# KiCad board plinkyblack_hwmidi_jacks.kicad_pcb (continued)
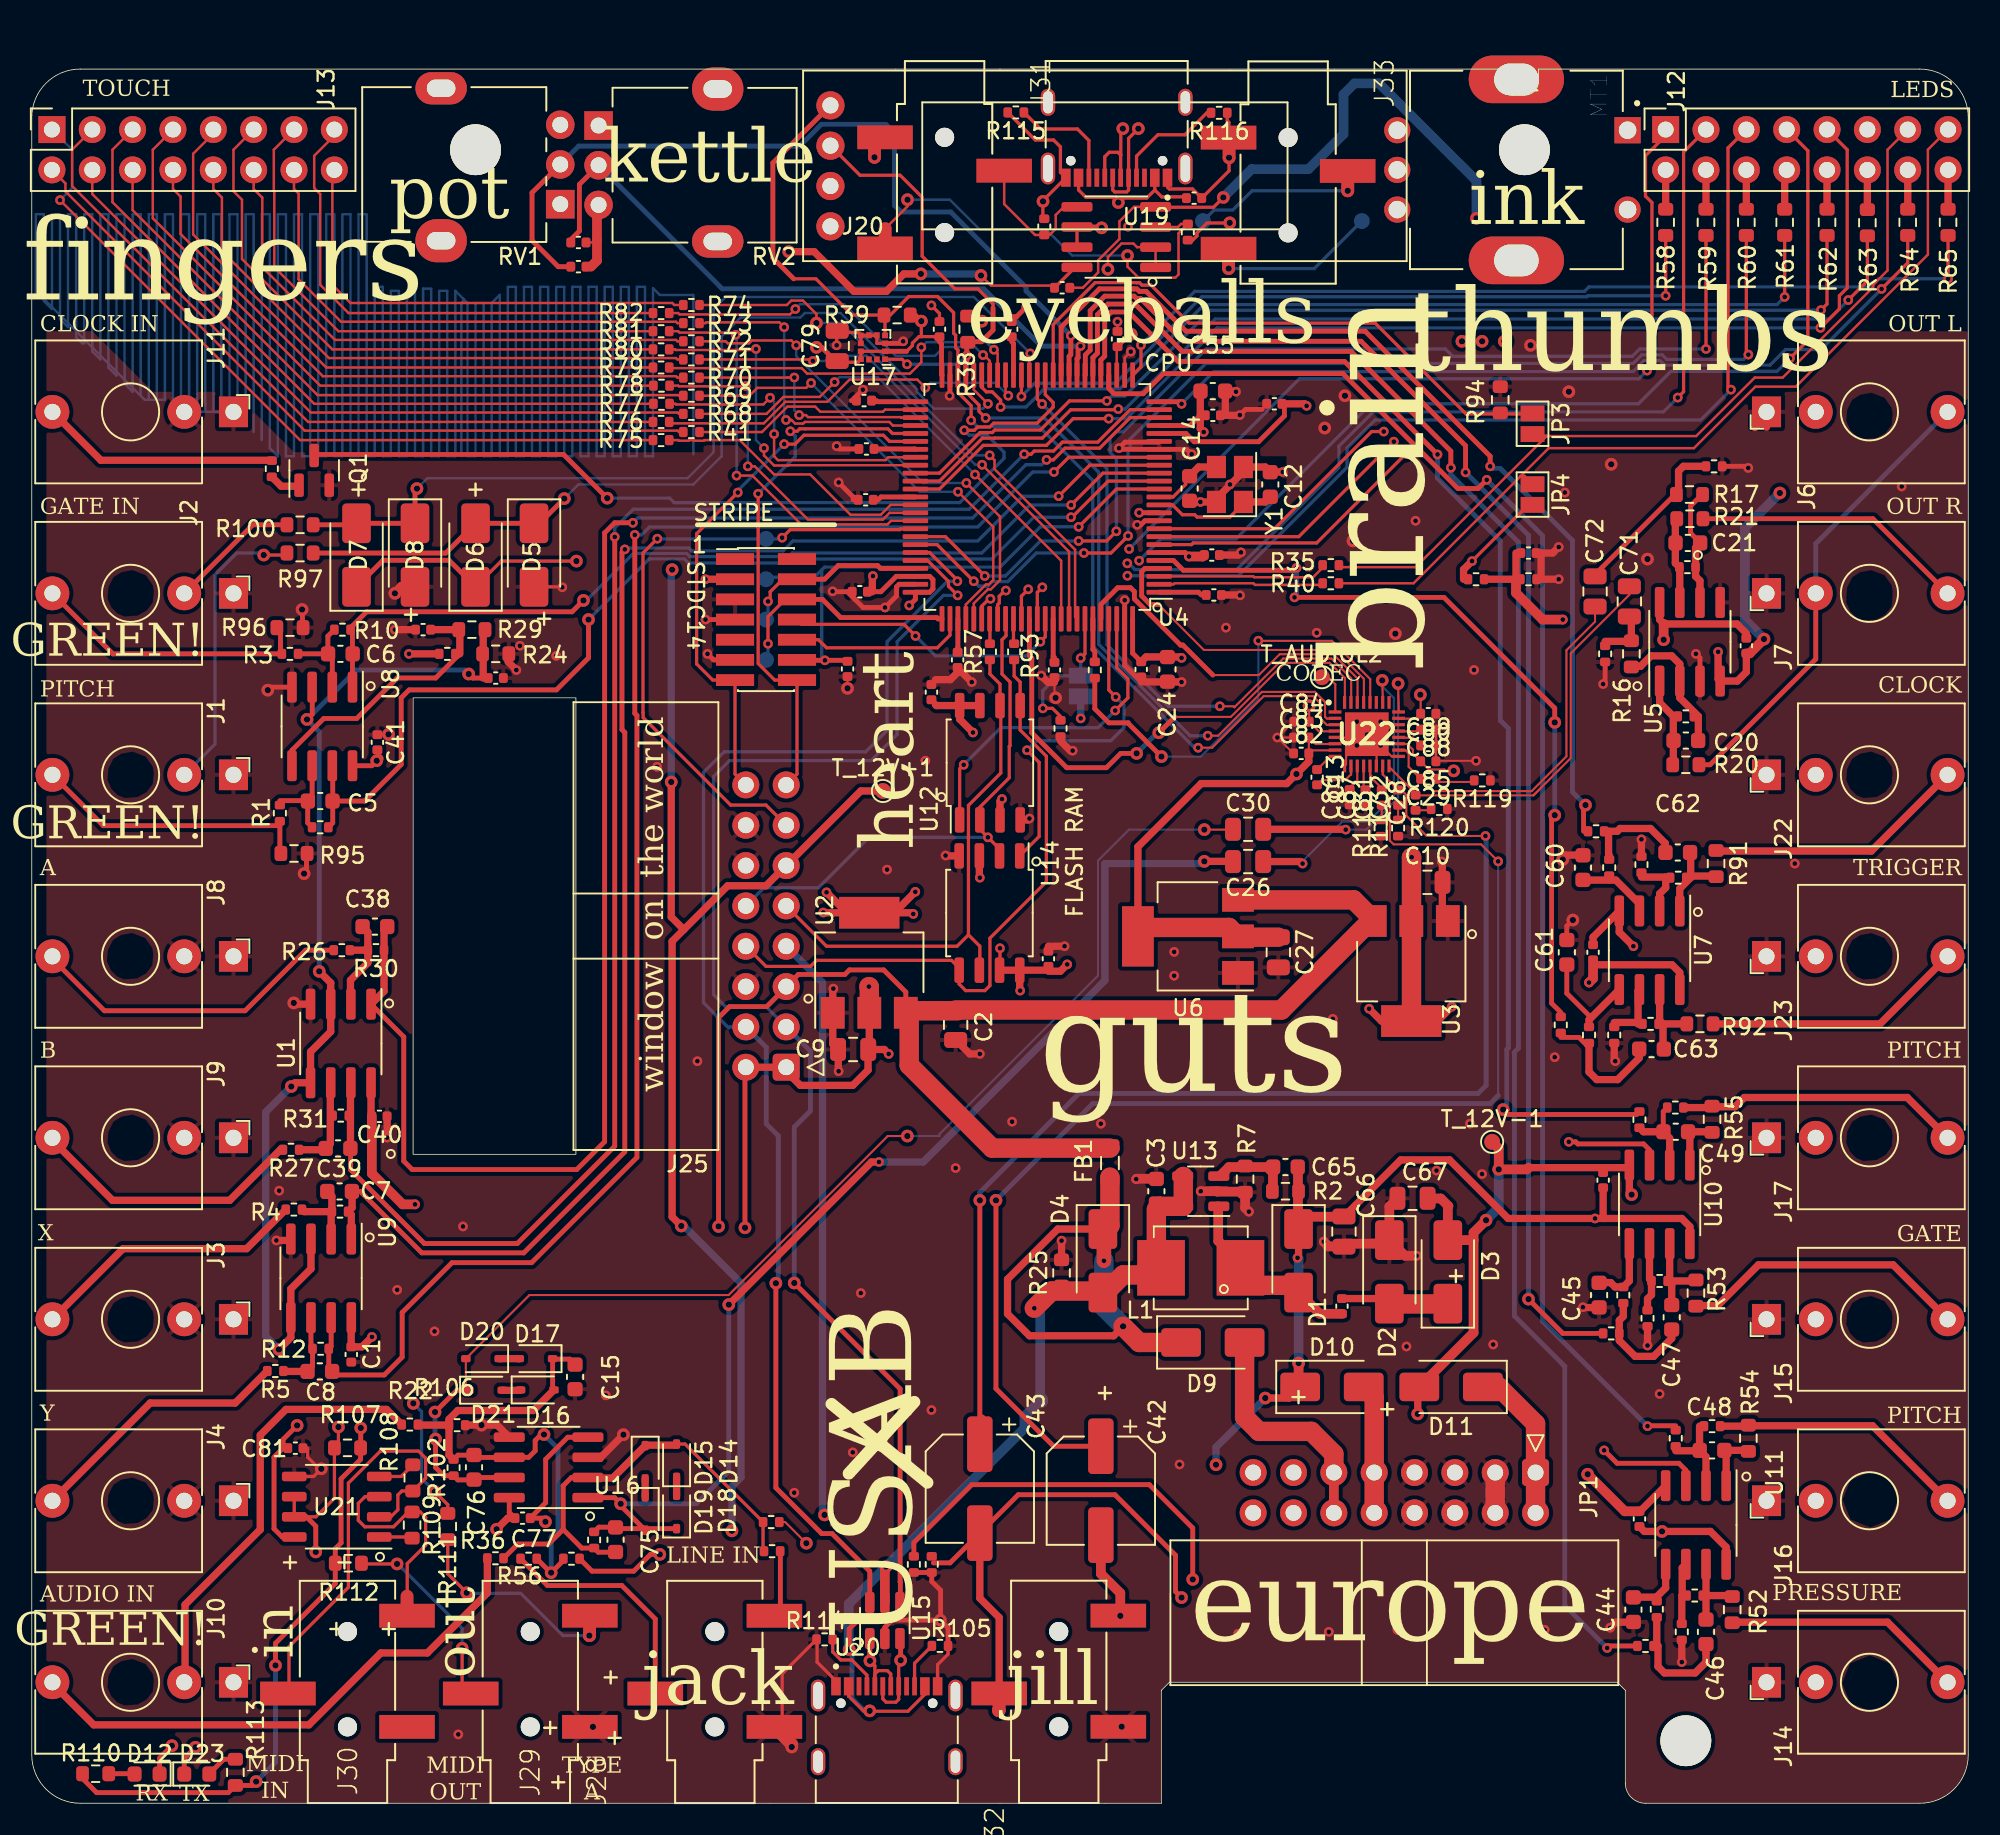
[diagram p0: board, top side]
## Library data of the parts
C1 C11 C16 C18 C19 C22 C23 C25 C28 C29 C31 C32 C40 C41 C50 C51 C53 C64 C73 C74 C77 C78 = -: Description: Unpolarized capacitor; Checked: x; LCSC: C307331
C2 C9 C10 C26 C27 C30 C66 C67 C71 C72 C79 = -: Description: Unpolarized capacitor; Checked: x; LCSC: C15850
C3 C24 = -: Description: Unpolarized capacitor; Checked: x; LCSC: C19666
C4 = -: Description: Unpolarized capacitor; Checked: x; LCSC: C52923
C5-C8 C38 C39 C44-C49 C60-C63 = -: Description: Unpolarized capacitor; Checked: x; LCSC: C53987
C12 C14 C15 C65 = -: Description: Unpolarized capacitor; Checked: x; LCSC: C1647
C13 C80 C82 C86-C89 = -: Description: Unpolarized capacitor; Checked: x; LCSC: C76995
C17 C35-C37 C52 C56-C59 C68-C70 = -: Description: Unpolarized capacitor, small symbol; Checked: x; LCSC: C307331
C20 C21 C75 C76 = -: Description: Unpolarized capacitor; Checked: x; LCSC: C1603
C34 C54 = -: Description: Unpolarized capacitor, small symbol; Checked: x; LCSC: C52923
C42 C43 = -: Checked: x; JLCPCB Rotation Offset: 180; LCSC: C134877
C55 = -: Description: Unpolarized capacitor, small symbol; Checked: x; LCSC: C57112
C81 = -: Checked: x; LCSC: C307331
C83-C85 = -: Description: Unpolarized capacitor; Checked: x; LCSC: C2185597
D1-D11 = -: Description: Schottky diode; Checked: x; LCSC: C8678
D12 = -: Description: Light emitting diode; Checked: x; LCSC: C2286
D14-D21 = -: Description: 75V 0.15A Fast switching Diode, SOD-323; Checked: x; LCSC: C2128
D23 = -: Description: Light emitting diode; Checked: x; LCSC: C2689219
FB1 = -: Checked: x; LCSC: C1017
H1 H2 H4 = -: Description: Mounting Hole without connection
J5 = -: Description: Generic connector, double row, 02x07, odd/even pin numbering scheme (row 1 odd numbers, row 2 even numbers), script generated (kicad-library-utils/schlib/autogen/connector/); JLCPCB Rotation Offset: 90; LCSC: C3975190
J12 J13 JP1 = -: Description: Generic connector, double row, 02x08, odd/even pin numbering scheme (row 1 odd numbers, row 2 even numbers), script generated (kicad-library-utils/schlib/autogen/connector/)
J28-J33 = -: Checked: x; JLCPCB Rotation Offset: 90; LCSC: C2884998
JP2-JP4 = -: Description: Solder Jumper, 2-pole, open
L1 = -: Description: Inductor; Checked: x; LCSC: C181721
MT1 = -: Field4: Manufacturer Recommendations; Field5: Rev. 09/19; Field6: J.W.Miller/Bourns
Q1 = -: Description: 0.2A Ic, 40V Vce, Small Signal NPN Transistor, SOT-23; Checked: x; LCSC: C20526
R1 R3-R5 R8 R22 R26 R27 R32 R33 R36 R103 R104 = -: Description: Resistor; Checked: x; LCSC: C25741
R2 R94-R96 = -: Description: Resistor; Checked: x; LCSC: C4172
R6 R13 R23 R28 R37 R43-R45 R47-R49 R56 R66 R67 R83 R84 R87-R90 R98 R99 R106 = -: Description: Resistor; Checked: x; LCSC: C25744
R7 R25 = -: Description: Resistor; Checked: x; LCSC: C25811
R9 R14 R15 R18 R19 R50 R51 = -: Description: Resistor; Checked: x; LCSC: C25779
R10-R12 R30 R31 R42 R46 R85 R86 = -: Description: Resistor; Checked: x; LCSC: C25768
R16 R17 = -: Description: Resistor; Checked: x; LCSC: C23189
R20 R21 R52-R55 R91 R92 = -: Description: Resistor; Checked: x; LCSC: C21190
R24 = -: Description: Resistor; Checked: x; LCSC: C25981
R29 R38 R39 R97 R100 = -: Description: Resistor; Checked: x; LCSC: C4190
R34 R35 R40 R41 R57 R68-R82 R93 = -: Description: Resistor; Checked: x; LCSC: C25076
R58-R65 = -: Description: Resistor; Checked: x; LCSC: C23182
R101 R102 = -: Description: Resistor; Checked: x; LCSC: C25752
R105 R114-R116 = -: Description: Resistor; Checked: x; LCSC: C25905
R107 = -: Checked: x; LCSC: C23179
R108 R109 = -: Checked: x; LCSC: C22962
R110-R112 = -: Checked: x; LCSC: C23182
R113 = -: Checked: x; LCSC: C22810
R117-R120 = -: Checked: x; LCSC: C276150
T_12V+1 T_12V-1 T_AUDIOL1 T_AUDIOL2 T_AUDIOR1 T_JTCK1 T_JTMS1 T_NRST1 T_VBUS1 TPDEBUG1 = -: Description: test point
U1 U8 U9 = -: Description: 1MHz, Low-Power Op Amp, SOIC-8; Checked: x; LCSC: C7377
U2 U3 = -: Checked: x; LCSC: C6186
U4 = -: Checked: x; LCSC: C83181
U5 U7 U10 U11 U16 U18 = -: Description: Dual Low-Noise JFET-Input Operational Amplifiers, DIP-8/SOIC-8; Checked: x; LCSC: C6961
U6 = -: Checked: x; LCSC: C126026
U12 U14 = -: Checked: x; LCSC: C97521
U13 = -: Description: Synchronous Boost Regulator, Adjustable Output up to 28V, 400 mA Switch Current Limit, SOT-23-5; Checked: x; JLCPCB Rotation Offset: 90; LCSC: C7722
U15 = -: Description: Very low capacitance ESD protection diode, 2 data-line, SOT-23-6; Checked: x; JLCPCB Rotation Offset: 90; LCSC: C2687116
U17 = -: Checked: x; LCSC: C110926
U19 U20 = -: Checked: x; LCSC: C165948; MANUFACTURER: HRO Electronics Co., Ltd.; MAXIMUM_PACKAGE_HEIGHT: 3.26 mm; MP: TYPE-C-31-M-12
U21 = -: Checked: x; LCSC: C43949
U22 = -: Description: Ultra Low Power CODEC for Portable Audio Applications; Checked: x; Height: 0.8; JLCPCB Rotation Offset: 180; LCSC: C323845; Manufacturer_Name: WOLFSON MICROELECTRONICS; Manufacturer_Part_Number: WM8904CGEFL/RV
Y1 = -: Description: Four pin crystal, GND on pins 2 and 4; Checked: x; LCSC: C13738

## Footprints (pads in the part's own frame, mm; a bottom-side part is the same pattern mirrored in y, then rotated)
C_0402_1005Metric
  rrect 0.56x0.62 smd: 1(-0.48,0) 2(0.48,0)
C_0603_1608Metric
  rrect 0.9x0.95 smd: 1(-0.775,0) 2(0.775,0)
C_0805_2012Metric
  rrect 1x1.45 smd: 1(-0.95,0) 2(0.95,0)
CP_Elec_6.3x5.9
  rrect 3.5x1.6 smd: 1(-2.8,0) 2(2.8,0)
Crystal_SMD_Abracon_ABM8G-4Pin_3.2x2.5mm
  rect 1.4x1.2 smd: 1(-1.1,-0.85) 2(1.1,-0.85) 3(1.1,0.85) 4(-1.1,0.85)
D_SMA
  rrect 2.5x1.8 smd: 1(-2,0) 2(2,0)
D_SOD-323
  rrect 0.6x0.45 smd: 1(-1.05,0) 2(1.05,0)
HRO_TYPE-C-31-M-12
  round 0.6 hole 0.6 unplated: (-2.89,3.68) (2.89,3.68)
  rect 0.6x1.14 smd: A1_B12(-3.2,4.75) A4_B9(-2.4,4.75) B1_A12(3.2,4.75) B4_A9(2.4,4.75)
  rect 0.3x1.14 smd: A5(-1.25,4.75) A6(-0.25,4.75) A7(0.25,4.75) A8(1.25,4.75) B5(1.75,4.75) B6(0.75,4.75) B7(-0.75,4.75) B8(-1.75,4.75)
  oval 0.9x2 hole 0.6x1.7: S1(-4.325,4.17) S2(4.325,4.17)
  oval 0.9x1.7 hole 0.6x1.4: S3(-4.325,0) S4(4.325,0)
IDC-Header_2x08_P2.54mm_Horizontal
  rrect 1.7x1.7 hole 1: 1(0,0)
  round 1.7 hole 1: 2(2.54,0) 3(0,-2.54) 4(2.54,-2.54) 5(0,-5.08) 6(2.54,-5.08) 7(0,-7.62) 8(2.54,-7.62) 9(0,-10.16) 10(2.54,-10.16) 11(0,-12.7) 12(2.54,-12.7) 13(0,-15.24) 14(2.54,-15.24) 15(0,-17.78) 16(2.54,-17.78)
L_0805_2012Metric
  rrect 0.875x1.2 smd: 1(-1.062,0) 2(1.062,0)
L_Murata_LQH55DN_5.7x5.0mm
  rect 3x3.5 smd: 1(-2.5,0) 2(2.5,0)
LED_0603_1608Metric
  rrect 0.875x0.95 smd: 1(-0.787,0) 2(0.787,0)
LGA-12_2x2mm_P0.5mm
  rect 0.375x0.35 smd: 1(-0.762,0.75) 2(-0.762,0.25) 3(-0.762,-0.25) 4(-0.762,-0.75) 7(0.762,-0.75) 8(0.762,-0.25) 9(0.762,0.25) 10(0.762,0.75)
  rect 0.35x0.375 smd: 5(-0.25,-0.762) 6(0.25,-0.762) 11(0.25,0.762) 12(-0.25,0.762)
LQFP-100_14x14mm_P0.5mm
  rrect 1.6x0.3 smd: 1(-7.675,6) 2(-7.675,5.5) 3(-7.675,5) 4(-7.675,4.5) 5(-7.675,4) 6(-7.675,3.5) 7(-7.675,3) 8(-7.675,2.5) 9(-7.675,2) 10(-7.675,1.5) 11(-7.675,1) 12(-7.675,0.5) 13(-7.675,0) 14(-7.675,-0.5) 15(-7.675,-1) 16(-7.675,-1.5) 17(-7.675,-2) 18(-7.675,-2.5) 19(-7.675,-3) 20(-7.675,-3.5) 21(-7.675,-4) 22(-7.675,-4.5) 23(-7.675,-5) 24(-7.675,-5.5) 25(-7.675,-6) 51(7.675,-6) 52(7.675,-5.5) 53(7.675,-5) 54(7.675,-4.5) 55(7.675,-4) 56(7.675,-3.5) 57(7.675,-3) 58(7.675,-2.5) 59(7.675,-2) 60(7.675,-1.5) 61(7.675,-1) 62(7.675,-0.5) 63(7.675,0) 64(7.675,0.5) 65(7.675,1) 66(7.675,1.5) 67(7.675,2) 68(7.675,2.5) 69(7.675,3) 70(7.675,3.5) 71(7.675,4) 72(7.675,4.5) 73(7.675,5) 74(7.675,5.5) 75(7.675,6)
  rrect 0.3x1.6 smd: 26(-6,-7.675) 27(-5.5,-7.675) 28(-5,-7.675) 29(-4.5,-7.675) 30(-4,-7.675) 31(-3.5,-7.675) 32(-3,-7.675) 33(-2.5,-7.675) 34(-2,-7.675) 35(-1.5,-7.675) 36(-1,-7.675) 37(-0.5,-7.675) 38(0,-7.675) 39(0.5,-7.675) 40(1,-7.675) 41(1.5,-7.675) 42(2,-7.675) 43(2.5,-7.675) 44(3,-7.675) 45(3.5,-7.675) 46(4,-7.675) 47(4.5,-7.675) 48(5,-7.675) 49(5.5,-7.675) 50(6,-7.675) 76(6,7.675) 77(5.5,7.675) 78(5,7.675) 79(4.5,7.675) 80(4,7.675) 81(3.5,7.675) 82(3,7.675) 83(2.5,7.675) 84(2,7.675) 85(1.5,7.675) 86(1,7.675) 87(0.5,7.675) 88(0,7.675) 89(-0.5,7.675) 90(-1,7.675) 91(-1.5,7.675) 92(-2,7.675) 93(-2.5,7.675) 94(-3,7.675) 95(-3.5,7.675) 96(-4,7.675) 97(-4.5,7.675) 98(-5,7.675) 99(-5.5,7.675) 100(-6,7.675)
LUOYANG-DISHANG_PJ-320B
  round 1.2 hole 1.2 unplated: (0,0) (6,0)
  rect 1.5x3.5 smd: 2(7,-3.75) 3(2.1,3.75) 4(0,-3.75)
MountingHole_3.2mm_M3
  round 3.2 hole 3.2 unplated: (0,0)
oled091
  round 1.778 hole 1.016: 1(-17.28,3.81) 2(-17.28,1.27) 3(-17.28,-1.27) 4(-17.28,-3.81)
pec11r_encoder
  rect 1.65x1.65 hole 1.1: 1(-2.5,7)
  round 1.65 hole 1.1: 2(2.5,7) A(-2.5,-7.5) B(2.5,-7.5) COM(0,-7.5)
  oval 3x6 hole 2x2.8: S1(-5.7,0) S2(5.7,0)
PinHeader_2x07_P1.27mm_Vertical_SMD
  rect 2.4x0.74 smd: 1(-1.95,3.81) 2(1.95,3.81) 3(-1.95,2.54) 4(1.95,2.54) 5(-1.95,1.27) 6(1.95,1.27) 7(-1.95,0) 8(1.95,0) 9(-1.95,-1.27) 10(1.95,-1.27) 11(-1.95,-2.54) 12(1.95,-2.54) 13(-1.95,-3.81) 14(1.95,-3.81)
PinSocket_2x08_P2.54mm_Vertical
  rect 1.7x1.7 hole 1: 1(0,0)
  oval 1.7x1.7 hole 1: 2(-2.54,0) 3(0,-2.54) 4(-2.54,-2.54) 5(0,-5.08) 6(-2.54,-5.08) 7(0,-7.62) 8(-2.54,-7.62) 9(0,-10.16) 10(-2.54,-10.16) 11(0,-12.7) 12(-2.54,-12.7) 13(0,-15.24) 14(-2.54,-15.24) 15(0,-17.78) 16(-2.54,-17.78)
pot3d
  oval 3.24x2.72 hole 1.8x1.1: (7.5,2.3)
  oval 3.24x2.032 hole 1.8x1.1: (7.5,-7.3)
  rect 1.8x1.8 hole 1: 1(0,0)
  round 1.8 hole 1: 2(0,-2.5) 3(0,-5)
QFN40P400X400X80-33N
  rect 0.8x0.2 smd: 1(-2,1.4) 2(-2,1) 3(-2,0.6) 4(-2,0.2) 5(-2,-0.2) 6(-2,-0.6) 7(-2,-1) 8(-2,-1.4) 17(2,-1.4) 18(2,-1) 19(2,-0.6) 20(2,-0.2) 21(2,0.2) 22(2,0.6) 23(2,1) 24(2,1.4)
  rect 0.2x0.8 smd: 9(-1.4,-2) 10(-1,-2) 11(-0.6,-2) 12(-0.2,-2) 13(0.2,-2) 14(0.6,-2) 15(1,-2) 16(1.4,-2) 25(1.4,2) 26(1,2) 27(0.6,2) 28(0.2,2) 29(-0.2,2) 30(-0.6,2) 31(-1,2) 32(-1.4,2)
  rect 2.75x2.75 smd: 33(0,0)
R_0402_1005Metric
  rrect 0.54x0.64 smd: 1(-0.51,0) 2(0.51,0)
R_0603_1608Metric
  rrect 0.8x0.95 smd: 1(-0.825,0) 2(0.825,0)
SOIC-8_3.9x4.9mm_P1.27mm
  rrect 1.95x0.6 smd: 1(-2.475,1.905) 2(-2.475,0.635) 3(-2.475,-0.635) 4(-2.475,-1.905) 5(2.475,-1.905) 6(2.475,-0.635) 7(2.475,0.635) 8(2.475,1.905)
SOIC-8_5.23x5.23mm_P1.27mm
  rrect 1.6x0.6 smd: 1(-3.6,1.905) 2(-3.6,0.635) 3(-3.6,-0.635) 4(-3.6,-1.905) 5(3.6,-1.905) 6(3.6,-0.635) 7(3.6,0.635) 8(3.6,1.905)
SolderJumper-2_P1.3mm_Open_Pad1.0x1.5mm
  rect 1x1.5 smd: 1(-0.65,0) 2(0.65,0)
SOT-23
  rrect 1.475x0.6 smd: 1(-0.938,0.95) 2(-0.938,-0.95) 3(0.938,0)
SOT-23-5
  rrect 1.325x0.6 smd: 1(-1.137,0.95) 2(-1.137,0) 3(-1.137,-0.95) 4(1.137,-0.95) 5(1.137,0.95)
SOT-23-6
  rrect 1.325x0.6 smd: 1(-1.137,0.95) 2(-1.137,0) 3(-1.137,-0.95) 4(1.137,-0.95) 5(1.137,0) 6(1.137,0.95)
SOT-223-3_TabPin2
  rect 2x1.5 smd: 1(-3.15,2.3) 2(-3.15,0) 3(-3.15,-2.3)
  rect 2x3.8 smd: 2(3.15,0)
SSOP-8_3.9x5.05mm_P1.27mm
  rrect 1.55x0.6 smd: 1(-2.675,1.905) 2(-2.675,0.635) 3(-2.675,-0.635) 4(-2.675,-1.905) 5(2.675,-1.905) 6(2.675,-0.635) 7(2.675,0.635) 8(2.675,1.905)
TestPoint_Pad_D1.0mm
  round 1 smd: 1(0,0)
thonk_with_3d
  rect 1.93x1.83 hole 1.016: S(0,0)
  round 2.13 hole 1.016: T(0,-11.4) TN(0,-3.1)

## Nets
+1V8: C27.1 C80.2 C82.2 C83.2 U6.2 U22.6 U22.7 U22.23
+3V3: C9.1 C16.1 C18.1 C19.1 C22.1 C23.1 C24.1 C53.1 C73.1 C79.1 C84.2 D5.1 D7.1 J5.3 J20.3 J25.1 J25.2 JP2.1 R38.1 R39.1 R107.2 R110.2 R112.2 R113.2 U2.2 U4.6 U4.11 U4.28 U4.50 U4.73 U4.75 U4.100 U12.3 U12.7 U12.8 U14.3 U14.7 U14.8 U17.2 U17.9 U17.10 U22.4
+5V: C2.1 C81.2 FB1.1 J25.5 U2.3 U3.3 U6.3 U21.8
+12V: C25.2 C50.2 C51.2 C64.2 C65.2 C66.1 C77.2 C78.2 D1.1 D10.1 J25.11 R2.1 T_12V+1.1 U5.8 U7.8 U10.8 U11.8 U16.8 U18.8
-12V: C25.1 C50.1 C51.1 C64.1 C67.1 C77.1 C78.1 D3.2 D11.2 J25.7 T_12V-1.1 U5.4 U7.4 U10.4 U11.4 U16.4 U18.4
VBUS: C3.1 C74.2 D4.2 L1.1 R25.1 T_VBUS1.1 U13.4 U13.5 U15.5 U19.A4_B9 U19.B4_A9 U20.A4_B9 U20.B4_A9
VDDA: C1.2 C10.1 C40.2 C41.2 C54.1 C55.1 C85.2 U1.8 U3.2 U4.22 U8.8 U9.8 U22.19
/INPUT_L_SECONDARYIN: R6.2 U18.1 U18.2
/INPUT_R_SECONDARYIN: R23.2 U18.6 U18.7
/RING1_4: J29.3 R112.1
/TIP1_5: J29.2 R111.1
ADCDAT: U4.38 U22.31
AIN1: C5.1 R9.1 U4.15 U8.7
AIN2: C6.1 R10.1 U4.16 U8.1
AIN3: C7.1 R11.1 U4.17 U9.1
AIN4: C8.1 R12.1 U4.18 U9.7
AIN5: C38.1 R30.1 U1.1 U4.23
AIN6: C39.1 R31.1 U1.7 U4.24
AIRQ: T_AUDIOL2.1 U22.1
AOUT1: R48.2 U4.29
AOUT2: R49.2 U4.30
AOUT3: R44.2 U4.31
AOUT4: R43.2 U4.32
AOUT5: R83.2 U4.35
AOUT6: R84.2 U4.5
CC2: R105.1 U20.B5
CLKIN: Q1.3 U4.37
DACDAT: U4.87 U22.32
DEBUG: J25.13 TPDEBUG1.1 U4.67
DM: J25.4 U4.70 U15.6
DM_C: U15.1 U19.A7 U19.B7 U20.A7 U20.B7
DP: J25.3 U4.71 U15.4
DP_C: U15.3 U19.A6 U19.B6 U20.A6 U20.B6
FSCLK: U4.96 U22.30
HPFB: C1.1 C2.2 C3.2 C9.2 C10.2 C11.2 C12.2 C14.2 C15.1 C16.2 C17.1 C18.2 C19.2 C22.2 C23.2 C24.2 C27.2 C34.1 C35.1 C36.1 C37.1 C40.1 C41.1 C44.1 C45.1 C52.1 C53.2 C54.2 C55.2 C56.1 C57.1 C58.1 C59.1 C60.1 C61.1 C66.2 C67.2 C68.2 C69.1 C70.2 C73.2 C74.1 C79.2 C80.1 C81.1 C82.1 C83.1 C84.1 C85.1 C86.1 C87.1 C88.1 C89.2 D2.1 D6.2 D8.2 J1.S J2.S J3.S J3.TN J4.S J4.TN J5.5 J5.7 J5.11 J6.S J7.S J8.S J8.TN J9.S J9.TN J10.S J11.S J11.TN J12.11 J14.S J15.S J16.S J17.S J20.4 J22.S J23.S J25.6 J25.12 J25.14 J28.4 J29.4 J31.4 J32.4 J33.4 JP1.3 JP1.4 JP1.5 JP1.6 JP1.7 JP1.8 MT1.1 MT1.COM MT1.S1 MT1.S2 Q1.2 R7.2 R13.2 R14.2 R15.2 R24.1 R25.2 R32.2 R33.2 R66.1 R67.1 R87.1 R88.1 R94.1 R95.2 R96.2 R99.1 R103.2 R104.2 R105.2 R106.1 R114.1 R115.2 R116.1 R117.1 R118.1 R119.1 R120.1 RV1.3 RV2.3 U1.4 U2.1 U3.1 U4.10 U4.19 U4.20 U4.27 U4.49 U4.74 U4.99 U5.3 U5.5 U6.1 U8.4 U9.4 U12.4 U13.2 U14.4 U15.2 U16.3 U16.5 U17.3 U17.5 U17.6 U17.7 U17.8 U19.A1_B12 U19.B1_A12 U20.A1_B12 U20.B1_A12 U21.5 U22.5 U22.9 U22.14 U22.17 U22.22 U22.33 Y1.2 Y1.4
HPL: C31.2 C42.1 U22.13
HPR: C32.2 C43.1 U22.15
IO1: MT1.2 U4.7
IO2: MT1.A U4.8
IO3: MT1.B U4.9
JTCK: J5.6 T_JTCK1.1 U4.76
JTDI: J5.10 U4.77
JTDO: J5.8 U4.89
JTMS: J5.4 T_JTMS1.1 U4.72
LINEINL: C26.1 U22.26
LINEINR: C30.1 U22.24
LINEOUTL: C28.2 C71.2 U22.16
LINEOUTR: C29.2 C72.2 U22.18
MCLK: R34.2 U22.28
MISO: J25.10 U4.84 U12.2 U14.2
MOSI: J25.8 R93.1 U12.5 U14.5
N1: J12.1 U4.83
N2: J12.3 U4.86
N3: J12.5 U4.88
N4: J12.7 U4.81
N5: J12.9 U4.62
NRST: C11.1 J5.12 T_NRST1.1 U4.14
P1: R58.1 U4.40
P2: R59.1 U4.68
P3: R60.1 U4.69
P4: R61.1 U4.45
P5: R62.1 U4.60
P6: R63.1 U4.61
P7: R64.1 U4.25
P8: R65.1 U4.26
POT1: C68.1 RV2.2 U4.33
POT2: C70.1 RV1.2 U4.34
RX: D12.1 J5.13 J25.16 R107.1 U4.56 U21.6 U21.7
SCL: J20.2 R38.2 U4.47 U17.1 U22.2
SCLK: U4.4 U22.29
SDA: J20.1 R39.2 U4.48 U17.4 U22.3
SENSE: D7.2 D8.1 R100.1 U4.39
SENSE2: D5.2 D6.1 R97.1 U4.46
SPICLK: J25.9 R57.1 U12.6 U14.6
SPICS: U4.98 U12.1
SPICS2: U4.97 U14.1
T1: R41.1 U4.52
T2: R68.1 U4.91
T3: R69.1 U4.79
T4: R70.1 U4.53
T5: R71.1 U4.92
T6: R72.1 U4.80
T7: R73.1 U4.54
T8: R74.1 U4.93
T9: R75.2 U4.64
T10: R76.2 U4.42
T11: R77.2 U4.58
T12: R78.2 U4.65
T13: R79.2 U4.43
T14: R80.2 U4.59
T15: R81.2 U4.66
T16: R82.2 U4.44
T_AUDIOL: C42.2 J32.2 J33.2 R33.1 T_AUDIOL1.1
T_AUDIOR: C43.2 J32.3 J33.3 R32.1 T_AUDIOR1.1
TS1: R40.2 U4.2
TS1_: J12.15 JP4.1 R40.1
TS2: R35.2 U4.3
TS2_: J12.13 JP3.2 R35.1
TX: D23.1 J5.14 J25.15 R111.2 U4.55
VREF: C34.2 JP4.2 R28.2 R98.2 RV1.1 RV2.1 U4.21
VREF1: C17.2 R24.2 R29.1 U1.3 U1.5 U8.3 U9.3 U9.5
VREF125: C35.2 R28.1 R29.2 U8.5
VREF_125_OUT: C69.2 R98.1 R99.2 U10.3 U11.3
Net-(C20-Pad1): C20.1 R18.1 R20.2 U5.1
Net-(C21-Pad1): C21.1 R19.1 R21.2 U5.7
Net-(C28-Pad1): C28.1 R120.2
Net-(C29-Pad1): C29.1 R119.2
Net-(C31-Pad1): C31.1 R118.2
Net-(C32-Pad1): C32.1 R117.2
Net-(C46-Pad1): C46.1 R42.2 R44.1
Net-(C46-Pad2): C46.2 R45.2 R52.2 U11.7
Net-(C47-Pad1): C47.1 R43.1 R46.2
Net-(C47-Pad2): C47.2 R47.2 R53.2 U10.7
Net-(C48-Pad1): C48.1 R54.2 U11.1
Net-(C49-Pad1): C49.1 R55.2 U10.1
Net-(C62-Pad1): C62.1 R83.1 R85.2
Net-(C62-Pad2): C62.2 R90.2 R91.2 U7.1
Net-(C63-Pad1): C63.1 R84.1 R86.2
Net-(C63-Pad2): C63.2 R89.2 R92.2 U7.7
Net-(C71-Pad1): C71.1 R14.1 R16.2
Net-(C72-Pad1): C72.1 R15.1 R17.2
Net-(D1-A): C4.2 D1.2 L1.2 U13.1
Net-(D2-A): C4.1 D2.2 D3.1
Net-(D4-K): D4.1 D9.1 FB1.2
Net-(D9-A): D9.2 JP1.11 JP1.12
Net-(D10-A): D10.2 JP1.9 JP1.10
Net-(D11-K): D11.1 JP1.1 JP1.2
Net-(D12-A): D12.2 R110.1
Net-(D14-A): C75.1 D14.2 D15.1 R6.1 R36.1 R37.1 R101.2 U16.2
Net-(D14-K): D14.1 D18.2
Net-(D15-A): D15.2 D19.1
Net-(D16-A): C15.2 C76.1 D16.2 D17.1 R22.1 R23.1 R56.1 R102.2 R106.2 U16.6
Net-(D16-K): D16.1 D20.2
Net-(D17-A): D17.2 D21.1
Net-(D18-K): C26.2 C75.2 D18.1 D19.2 R101.1 U16.1
Net-(D20-K): C30.2 C76.2 D20.1 D21.2 R102.1 U16.7
Net-(D23-A): D23.2 R113.1
Net-(J1-PadT): J1.T R1.2 R95.1
Net-(J1-PadTN): J1.TN R97.2
Net-(J2-PadT): J2.T R3.2 R96.1
Net-(J2-PadTN): J2.TN R100.2
Net-(J3-PadT): J3.T R4.2
Net-(J4-PadT): J4.T R5.2
Net-(J6-PadT): J6.T J7.TN R20.1
Net-(J7-PadT): J7.T R21.1
Net-(J8-PadT): J8.T R26.2
Net-(J9-PadT): J9.T R27.2
Net-(J10-PadT): J10.T R36.2
Net-(J10-PadTN): J10.TN R22.2
Net-(J11-PadT): J11.T R8.2
Net-(J12-Pin_2): J12.2 R58.2
Net-(J12-Pin_4): J12.4 R59.2
Net-(J12-Pin_6): J12.6 R60.2
Net-(J12-Pin_8): J12.8 R61.2
Net-(J12-Pin_10): J12.10 R62.2
Net-(J12-Pin_12): J12.12 R63.2
Net-(J12-Pin_14): J12.14 R64.2
Net-(J12-Pin_16): J12.16 R65.2
Net-(J13-Pin_1): J13.1 R75.1
Net-(J13-Pin_2): J13.2 R41.2
Net-(J13-Pin_3): J13.3 R76.1
Net-(J13-Pin_4): J13.4 R68.2
Net-(J13-Pin_5): J13.5 R77.1
Net-(J13-Pin_6): J13.6 R69.2
Net-(J13-Pin_7): J13.7 R78.1
Net-(J13-Pin_8): J13.8 R70.2
Net-(J13-Pin_9): J13.9 R79.1
Net-(J13-Pin_10): J13.10 R71.2
Net-(J13-Pin_11): J13.11 R80.1
Net-(J13-Pin_12): J13.12 R72.2
Net-(J13-Pin_13): J13.13 R81.1
Net-(J13-Pin_14): J13.14 R73.2
Net-(J13-Pin_15): J13.15 R82.1
Net-(J13-Pin_16): J13.16 R74.2
Net-(J14-PadT): J14.T R52.1
Net-(J15-PadT): J15.T R53.1
Net-(J16-PadT): J16.T R50.1 R54.1
Net-(J17-PadT): J17.T R51.1 R55.1
Net-(J22-PadT): J22.T R91.1
Net-(J23-PadT): J23.T R92.1
Net-(J28-RING): J28.3 R56.2
Net-(J28-TIP): J28.2 R37.2
Net-(J30-RING): J30.3 R108.1 U21.2
Net-(J30-TIP): J30.2 R109.1 U21.3
Net-(J31-RING): J31.3 R104.1 U18.5
Net-(J31-TIP): J31.2 R103.1 U18.3
Net-(JP2-B): JP2.2 R13.1 U4.94
Net-(JP3-A): JP3.1 R94.2 U4.36
Net-(Q1-B): Q1.1 R8.1
Net-(U1A--): C38.2 R26.1 R30.2 U1.2
Net-(U1B--): C39.2 R27.1 R31.2 U1.6
Net-(U4-PB4): C56.2 U4.90
Net-(U4-PB8): R34.1 U4.95
Net-(U4-PB12): C57.2 U4.51
Net-(U4-PC6): C58.2 U4.63
Net-(U4-PC10): C59.2 U4.78
Net-(U4-PD1): R57.2 U4.82
Net-(U4-PD4): R93.2 U4.85
Net-(U4-PD10): C52.2 U4.57
Net-(U4-PE2): C36.2 U4.1
Net-(U4-PE10): C37.2 U4.41
Net-(U4-PH0): C12.1 U4.12 Y1.1
Net-(U4-PH1): C14.1 U4.13 Y1.3
Net-(U5A--): C20.2 R16.1 R18.2 U5.2
Net-(U5B--): C21.2 R17.1 R19.2 U5.6
Net-(U7A-+): C60.2 R85.1 U7.3
Net-(U7A--): R87.2 R90.1 U7.2
Net-(U7B-+): C61.2 R86.1 U7.5
Net-(U7B--): R88.2 R89.1 U7.6
Net-(U8A--): C6.2 R3.1 R10.2 U8.2
Net-(U8B--): C5.2 R1.1 R9.2 U8.6
Net-(U9A--): C7.2 R4.1 R11.2 U9.2
Net-(U9B--): C8.2 R5.1 R12.2 U9.6
Net-(U10A--): C49.2 R49.1 R51.2 U10.2
Net-(U10B-+): C45.2 R46.1 U10.5
Net-(U10B--): R47.1 R67.2 U10.6
Net-(U11A--): C48.2 R48.1 R50.2 U11.2
Net-(U11B-+): C44.2 R42.1 U11.5
Net-(U11B--): R45.1 R66.2 U11.6
Net-(U13-FB): C65.1 R2.2 R7.1 U13.3
Net-(U19-CC1): R116.2 U19.A5
Net-(U19-CC2): R115.1 U19.B5
Net-(U19-SHIELD-PadS1): U19.S1 U19.S2 U19.S3 U19.S4
Net-(U20-CC1): R114.2 U20.A5
Net-(U20-SHIELD-PadS1): U20.S1 U20.S2 U20.S3 U20.S4
Net-(U21-ANODE_1): R109.2 U21.1
Net-(U21-ANODE_2): R108.2 U21.4
Net-(U22-CPCA): C13.1 U22.8
Net-(U22-CPCB): C13.2 U22.10
Net-(U22-CPVOUTN): C87.2 U22.12
Net-(U22-CPVOUTP): C86.2 U22.11
Net-(U22-MICBIAS): C89.1 U22.20
Net-(U22-VMIDC): C88.2 U22.21

Pads without a net: J5 1 2 9; J6 TN; J14 TN; J15 TN; J16 TN; J17 TN; J22 TN; J23 TN; J30 4; JP1 13 14 15 16; U17 11 12; U19 A8 B8; U20 A8 B8; U22 25 27

## Via types
v1: diameter 0.61, hole 0.305, Top to Bottom, 270 vias
v2: diameter 0.8, hole 0.4, Top to Bottom, 137 vias

## Routing (per net, layer and track width the routed paths; a pad name or vN(x,y) marks a point on that pad's centre or on a via; arc(x,y) is an arc through that point)
+1V8: length 45.3
  Top w0.13: 80.42,67.12 80.83,66.71 82.07,66.71 ; 80.59,66.31 82.07,66.31 ; C82.2 C83.2 ; v2(87.42,69.82) 87.44,69.8 C80.2 87.13,68.31 86.07,68.31
  Top w0.457: C82.2 80.4,65.61 79.62,64.83 v2(79.62,64.82) 79.62,64.82 79.02,64.22 73.62,64.22 69.64,60.24 U6.2
  Top w1.219: U6.2 70.2,55.16 75.38,55.16 U6.2 ; C27.1 75.99,54.54
  In2.Cu w0.13: v2(79.62,64.82) 80.85,64.82 85.85,69.82 v2(87.42,69.82)
+3V3: length 304.7
  Top w0.13: 82.07,67.51 81.03,67.51 C84.2 v2(80.42,69.12)
  Top w0.152: 68.44,91.74 v2(69.22,92.52) ; U4.28 68.31,91.69
  Top w0.203: 55.08,91.44 55.45,91.81 55.45,91.96 55.86,92.37 56.01,92.37 ; 56.01,92.37 56.83,92.37 57.15,92.05 ; 56.01,92.37 v2(56.01,93.34) ; U17.2 U17.9 U17.10 52.01,90.76 50.67,90.76 ; v1(60.96,53.85) 60.96,52.32 ; v2(34.29,78.23) 29.56,78.23 D5.1
  Top w0.305: 57.15,92.05 57.28,91.92 57.28,89.98 U4.50 ; R107.2 20.71,21.66 19.47,20.43 19.47,16.4 19.11,16.03 R112.2 19.11,13.84 15.35,10.08 v2(15.35,8.68) ; C53.1 69.31,72.43 U4.100 ; 3.2,1.56 4.09,0.67 12.37,0.67 R113.2 13.88,1.12 v2(14.13,1.36) ; D7.1 22.12,78.28 26.27,78.28 D5.1 ; U4.6 72.61,78.77 v1(72.86,78.52) 73.41,78.52 73.51,78.61 ; 50.67,90.76 49.74,91.69 v2(49.4,91.69) ; 55.08,91.44 U17.2 ; v2(56.01,93.34) 55.63,93.73 55.27,93.73 ; v2(20.71,23.64) 20.71,22.39 ; 44.9,46.3 v2(44.9,36.24) ; v1(55.24,75.44) 55.63,75.83 U4.75 56.53,76.27 56.74,76.48 56.74,77.07 56.53,77.27 U4.73 54.43,77.27 53.46,76.3 52.92,76.3 ; 58.93,93.62 59.54,93.62 v2(59.82,93.34) ; v1(69.72,81.28) 70.98,81.28 U4.11
  Top w0.457: 51.32,56.08 v1(50.04,57.37) ; J5.3 v1(42.42,77.09) ; 52.92,76.3 52.92,77.25 v1(52.96,77.29) ; v1(55.5,56.01) 55.42,56.08 U2.2 49.85,56.08 v1(49.83,56.1) ; 47.37,46.23 48.39,45.21 51.69,45.21 52.65,46.17 52.65,47.47 53.67,47.47 v1(53.95,47.19) ; 56.9,69.19 56.95,69.13 U12.8 58.42,68.28 v1(59.26,67.44) ; 64.01,52.45 63.99,52.47 U14.8 62.2,51.21 v1(62.23,51.18) ; v1(65.19,52.83) 64.76,52.4 64.01,52.4 ; U12.3 60.96,63.12 v1(61.09,63.25) ; J25.1 J25.2 ; v1(72.39,72.14) 72.33,72.2 70.16,72.2 C53.1 ; U2.2 52.73,47.55 ; 58.42,69.22 58.5,69.13 U12.7 ; U14.3 59.66,58.32 v1(59.69,58.29) ; U14.7 62.21,52.47 ; 54.31,56.08 v1(55.63,57.4)
  Top w0.61: v1(72.86,78.52) 73.72,78.52 73.82,78.61
  Top w1.219: U2.2 52.73,51.41 v1(52.7,51.44)
  In2.Cu w0.203: v1(42.42,77.09) 42.35,77.02 35.5,77.02 v2(34.29,78.23)
  In2.Cu w0.305: v2(20.71,23.64) 20.71,23.7 24.29,27.28 24.29,30.99 26.34,33.04 41.7,33.04 v2(44.9,36.24)
  In2.Cu w0.61: 56.9,81.28 52.96,77.34 v1(52.96,77.29) 52.76,77.09 v1(42.42,77.09) ; 56.9,81.28 56.9,76.45 57.4,75.95 57.4,70.87 60.07,68.2 ; 56.9,81.28 61.29,81.28 63.1,83.08 66.09,83.08 67.01,84 ; v1(72.86,78.52) 72.86,78.92 73.45,79.51 ; J20.3 48.64,100.21 48.64,97.66 52.96,93.34 v2(56.01,93.34) v2(59.82,93.34) 59.94,93.47 65.86,93.47 66.83,92.49 ; v2(80.42,69.12) 80.42,70.12 79.64,70.9 79.64,73.95 74.78,78.82 74.14,78.82 73.45,79.51 ; 67.01,84 66.68,84.33 66.68,91.34 66.83,91.5 66.83,92.49 ; 67.01,84 67.01,83.57 69.29,81.28 v1(69.72,81.28) 71.68,81.28 73.45,79.51 ; 60.07,68.2 65.91,68.2 v1(66.04,68.33) ; 60.07,68.2 59.31,67.44 v1(59.26,67.44) 55.63,63.8 v1(55.63,57.4) ; 66.83,92.49 67.73,92.49 67.76,92.52 v2(69.22,92.52)
  Bottom w0.305: v2(14.13,1.36) 15.35,2.58 v2(15.35,8.68)
  Bottom w0.457: v1(66.04,68.33) 66.04,69.6
+5V: length 129.3
  Top w0.305: v2(43.24,36.33) 43.24,49.48 43.94,50.17 46.27,50.17 47.5,51.4 ; U21.8 15.77,16.77 15.25,17.29 15.25,21.79 15.82,22.36 15.82,22.91 v2(16.71,23.8) ; J25.5 48.26,52.2 51.19,52.2 51.48,52.48 53.64,52.48 55.03,51.09 U2.3
  Top w1.219: U6.3 83.22,56.9 U3.3 ; 55.16,49.91 58.29,49.91 ; 84.58,55.63 84.35,55.63 78.68,49.96 58.17,49.96 ; 67.88,41.26 60.47,41.26 55.24,46.48 55.24,49.57 U2.3
  In2.Cu w0.305: v2(43.24,36.33) 43.24,35.41 41.48,33.65 25.9,33.65 23.64,31.39 23.64,29.46 17.98,23.8 v2(16.71,23.8)
+12V: length 308.8
  Top w0.152: v2(59.76,96.22) 60.4,95.58 64.26,95.58
  Top w0.203: 65.68,96.73 C78.2
  Top w0.305: C77.2 30.06,18.32 U16.8
  Top w0.457: U7.8 103.76,52.32 103.27,52.81 98.3,52.81 ; v2(47.66,97.72) 49.26,97.72 51.76,95.22 53.81,95.22 54.9,96.32 v2(55.98,96.32) ; 98.93,38.46 98.93,36.83 ; 98.93,36.83 103.88,36.83 104.39,36.32 U10.8 ; 98.93,36.83 v1(98.43,36.83) 92.95,36.83 89.26,40.52 86.19,40.52 82.62,36.94 ; 107.95,73.69 107.36,74.27 102.77,74.27 102.49,74.55 U5.8 ; D10.1 79.16,25.52 v2(77.66,25.52) ; U11.8 106.68,16.13 105.69,17.12 101.53,17.12 C50.2 ; 41.05,55.03 40.26,55.82 v2(40.26,64.32) ; 41.05,55.03 43.81,57.78 46.23,57.78 J25.11 52.2,63.75 T_12V+1.1 ; 41.05,55.03 40.32,54.29 40.32,36.93 v2(40.89,36.36) ; v2(29.27,17.26) 29.96,17.96 C77.2 ; v1(79.69,34.35) 79.76,34.42 79.76,36.07
  Top w0.61: v2(102.74,73.28) 102.74,74.24 102.77,74.27 ; 79.72,36.16 79.72,40.07 ; 98.3,52.81 98.3,51.94 v1(98.04,51.69) ; v2(79.76,27.72) 79.76,26.32 ; 79.69,36.13 80.51,36.94 82.62,36.94
  In2.Cu w0.457: v2(47.66,97.72) 47.56,97.72 42.96,93.12 42.96,83.92 40.32,81.28 v2(40.32,77.69) ; v2(29.27,17.26) 29.76,16.76 43.69,16.76 v2(44.08,17.16) 44.23,17.31 49.27,17.31 49.46,17.12 70.26,17.12 74.46,21.32 v2(74.56,21.32)
  In2.Cu w0.61: v2(102.74,73.28) 102.74,71.5 98.68,67.44 98.68,52.32 v1(98.04,51.69) 98.04,37.21 v1(98.43,36.83) 100.82,34.44 100.82,18.94 v2(102.64,17.12)
  Bottom w0.457: v2(40.89,36.36) 41.05,36.36 44.66,32.75 44.66,20.53 44.08,19.95 v2(44.08,17.16) ; v2(74.56,21.32) 74.56,22.42 v2(77.66,25.52) ; v2(55.98,96.32) 59.66,96.32 v2(59.76,96.22) ; v2(40.26,64.32) 40.26,77.63 v2(40.32,77.69)
  Bottom w0.61: v2(79.76,27.72) 79.76,34.29 v1(79.69,34.35)
-12V: length 283.7
  Top w0.152: C78.1 66.17,95.45 67.14,96.41 67.14,97.18 68.48,98.52 68.48,99.63 69.39,100.54 U18.4
  Top w0.203: v2(75.02,101.13) 74.4,100.51 70.79,100.51
  Top w0.305: v2(32.34,17.73) 32.11,17.96 C77.1 32.35,18.93 32.35,21.66 33.74,23.05 35.01,23.05
  Top w0.457: 94.24,40.03 100.42,40.03 U10.4 100.58,38.47 v2(100.73,38.33) ; v1(106.17,72.52) 106.17,70.8 U5.4 107.38,70.68 107.95,71.25 107.95,72.11 ; v2(87.26,24.52) 87.26,26.12 ; U11.4 101.26,18.39 ; 98.3,54.38 98.3,54.55 U7.4 99.95,54.86 v1(100.84,53.98)
  Top w0.61: 90.78,35.47 90.78,29.64 D11.2 ; 90.78,35.47 90.78,35.94 v2(91.56,36.72) ; 90.78,35.47 D3.2 89.16,37.57 89.19,37.61 88.71,38.09 87.88,38.09 ; C51.1 108.16,72.42 v2(109.06,73.32) ; C50.1 100.29,18.39 v2(97.96,20.72) ; T_12V-1.1 92.36,41.24 v2(92.36,39.92) 94.13,39.92 94.24,40.03
  In2.Cu w0.457: v2(32.34,17.73) 42.55,17.73 43,18.18 43.02,18.16 v2(49.91,18.16) 54.36,22.61 85.35,22.61 ; 85.35,22.61 87.26,22.61 v2(87.26,24.52) ; 85.35,22.61 95.36,22.61 97.25,20.72 v2(97.96,20.72)
  In2.Cu w0.61: v2(110.06,82.52) 110.26,82.72 110.26,82.97 104.83,88.4 104.82,88.4 97.06,96.16 97.06,98.22 95.96,99.32 91.46,99.32 v2(90.96,99.82) ; v2(100.73,38.33) 100.84,38.44 v1(100.84,53.98) 100.53,54.28 100.53,66.88 v1(106.17,72.52)
  Bottom w0.457: v2(49.91,18.16) 49.78,18.29 49.78,51.69 J25.7
  Bottom w0.61: v2(90.96,99.82) 90.96,102.18 84.82,108.32 83.28,108.32 82.59,107.63 82.59,105.13 80.38,102.92 76.81,102.92 v2(75.02,101.13) ; v2(91.56,36.72) 92.36,37.52 v2(92.36,39.92) ; v2(109.06,73.32) 107.86,74.52 107.86,80.32 v2(110.06,82.52)
VBUS: length 248.3
  Top w0.203: 70.71,101.6 U19.A4_B9 ; 70.71,101.6 70.2,101.1 68.69,101.1 v2(68.41,100.81) 68.09,101.14 66.37,101.14 65.91,101.6 U19.B4_A9 ; 70.71,101.6 71.14,101.17 72.62,101.17 ; U20.B4_A9 56.23,6.86 55.16,5.79 52.78,5.79 v2(52.76,5.82) 52.36,5.82 51.45,6.74 51.43,6.74 U20.A4_B9 ; 64.84,32.61 64.42,32.61
  Top w0.305: U15.5 53.71,11.77 53.45,11.51 52,11.51 51.46,10.98 v2(51.46,9.68)
  Top w0.61: U15.5 53.71,14.83 v2(53.79,14.91) ; 70.99,37.59 70.8,37.41
  Top w1.219: v1(63.12,31.18) 64.2,32.26 67.38,32.26 ; 70.93,33.27 68.71,33.27 67.5,32.07 ; 72.5,39.48 72.5,37.59 70.99,37.59 ; 70.8,37.41 70.8,33.97
  In2.Cu w0.61: v2(68.41,100.81) 68.99,100.81 75.9,93.9 95.6,93.9 110.79,78.72 112.9,78.72 115.28,76.35 115.28,18.14 112.2,15.06 53.94,15.06 v2(53.79,14.91)
  Bottom w0.305: v2(51.46,9.68) 51.64,9.5 51.64,6.6 52.42,5.82 v2(52.76,5.82)
  Bottom w0.61: v2(51.46,9.68) 51.43,9.71 51.43,12.55 62.49,23.61 62.49,24.37 T_VBUS1.1 63.49,30.8 v1(63.12,31.18)
VDDA: length 197.7
  Top w0.13: v2(89.52,65.02) 89.02,65.02 88.94,65.11 87.96,65.11 C85.2 86.96,66.11 86.96,66.35 86.6,66.71 86.07,66.71 ; v2(21.72,65.66) 21.76,65.7 C41.2
  Top w0.305: U4.22 72.93,86.77 73.57,87.41 ; 21.84,65.79 21.4,65.34 U8.8
  Top w0.457: C1.2 20.79,28.74 v1(21.42,29.37) ; 20.11,30.57 20.11,28.75 ; 21.36,43.31 U1.8 ; v1(84.2,50.04) 84.98,49.26 U3.2 ; 73.57,88.94 73.57,86.58 v1(73.79,86.36) ; 88.51,49.26 v1(89.41,50.17) ; 86.93,58 86.93,55.64
  Top w0.61: v1(24.13,37.72) 23.35,37.72 21.41,39.66 C40.2 ; 21.84,65.79 v2(21.72,65.66)
  Top w1.219: 86.87,49.4 86.87,59.57 v1(86.88,59.58)
  In2.Cu w0.61: v2(21.72,65.66) 23.26,64.12 23.26,38.59 v1(24.13,37.72) 21.95,35.54 21.95,33.58 21.42,33.05 v1(21.42,29.37)
  In2.Cu w1.219: 86.87,50.04 89.28,50.04 v1(89.41,50.17) ; 86.87,50.04 v1(84.2,50.04) 84.2,49.91 82.55,48.26 57.15,48.26 46.61,37.72 v1(24.13,37.72) ; 86.87,50.04 86.87,59.57 v1(86.88,59.58) 86.88,61.22 89.54,63.88 89.54,64.51 89.42,64.62 89.54,64.73 89.54,68.96 89.66,69.09 89.66,75.18 78.49,86.36 v1(73.79,86.36)
/INPUT_L_SECONDARYIN: length 185.3
  Top w0.13: v2(48.77,16.38) 47.44,17.71 R6.2
  Top w0.152: U18.1 U18.2 69.59,98 69.36,98.23 68.61,98.23 67.75,97.37 v2(67.75,96.61)
  In2.Cu w0.305: 67.75,96.6 67.75,96.33 71.3,92.78 95.1,92.78 110.63,77.25 110.63,71.99 114.17,68.45 114.17,18.54 112.01,16.38 v2(48.77,16.38)
/INPUT_R_SECONDARYIN: length 199.6
  Top w0.203: U18.6 U18.7
  Top w0.305: R23.2 35.27,14.62 37.9,14.62 38.95,15.67 v2(39.54,15.67) ; v2(67.36,99.22) 67.31,99.27 66.37,99.27
  In2.Cu w0.305: v2(67.36,99.22) 67.36,98.07 72.14,93.29 95.3,93.29 110.48,78.12 112.66,78.12 114.68,76.1 114.68,18.4 111.95,15.67 v2(39.54,15.67)
/RING1_4: length 11.5
  Top w0.203: 27.1,7.45 v2(27.1,9.76) ; v2(23,15.07) 20.8,15.07
  Bottom w0.203: v2(27.1,9.76) 27.1,11.02 23.05,15.07 v2(23,15.07)
/TIP1_5: length 13.9
  Top w0.203: R111.1 26.19,14.45 v2(27.38,13.26)
  Top w0.813: 35.12,11.79 35.12,10.57 v2(35.11,10.56)
  Bottom w0.203: v2(27.38,13.26) 27.42,13.22 30.78,13.22 33.44,10.56 v2(35.11,10.56)
ADCDAT: length 39.1
  Top w0.13: v1(74.8,69.09) 75.66,69.09 75.72,69.03 78.78,72.09 81.83,72.09 83.07,70.85 83.07,69.31
  Top w0.203: U4.38 63.31,88.43 v1(63.61,88.13)
  Bottom w0.203: v1(63.61,88.13) 67.69,84.05 67.69,72.96 71.56,69.09 v1(74.8,69.09)
AIN1: length 68.4
  Top w0.203: U4.15 67.77,83.27 65.5,80.99 v1(65.43,80.99)
  Top w0.305: R9.1 18.95,61.75 18.95,65.32 ; v2(35.05,74.55) 35.05,72.14 33.04,70.12 23.76,70.12 23.26,69.62 23.26,65.42 20.95,63.12 18.95,63.12
  Bottom w0.203: v1(65.43,80.99) 63.09,80.99 60.45,78.36 48.24,78.36 47.99,78.11 41.35,78.11 41.09,78.37 38.88,78.37 v2(35.05,74.55)
AIN2: length 58.8
  Top w0.203: v1(65.43,81.76) 67.44,83.77 U4.16
  Top w0.305: v2(34.73,75.76) 34.02,75.04 21.08,75.04 20.19,74.15 U8.1
  Bottom w0.203: v1(65.43,81.76) 62.84,81.76 59.82,78.74 47.88,78.74 47.66,78.52 41.42,78.52 41.23,78.72 37.89,78.72 34.93,75.76 v2(34.73,75.76)
AIN3: length 98.7
  Top w0.203: v1(64.65,82.32) 66.6,84.27 U4.17
  Top w0.305: 20.17,38.53 20.69,38.53 24.56,34.66 30.97,34.66 37.34,41.03 37.34,67.44 37.16,67.61 37.16,78.79 v1(37.34,78.97)
  Top w0.457: 20.17,38.53 20.17,37.51 R11.1 20.12,37.06 U9.1
  Bottom w0.203: v1(64.65,82.32) 62.38,82.32 59.56,79.5 47.93,79.5 47.3,78.87 41.55,78.87 41.37,79.06 37.43,79.06 v1(37.34,78.97)
AIN4: length 103.8
  Top w0.203: U4.18 65.28,84.77 v1(64.36,83.84)
  Top w0.305: 18.7,27.42 R12.1 18.85,28.77 U9.7 ; 19.15,26.97 22.2,26.97 23.32,28.1 23.32,30.91 26.46,34.05 31.47,34.05 38.1,40.68 38.1,68.51 37.97,68.65 v1(37.97,79.88)
  Bottom w0.203: v1(64.36,83.84) 63.03,83.84 59.57,80.38 38.9,80.38 38.4,79.88 v1(37.97,79.88)
AIN5: length 105.6
  Top w0.203: v1(63.89,84.61) 64.32,84.61 65.06,85.34 67.24,85.34 69.16,87.27 U4.23
  Top w0.305: U1.1 23.42,48.27 23.42,40.44 23.95,39.91 34.31,39.91 36.07,41.67 36.07,80.01 36.7,80.65 v1(37.85,80.65)
  Top w0.457: U1.1 22.18,51.14 22.18,55
  Bottom w0.203: v1(63.89,84.61) 63.59,84.3 62.59,84.3 59.23,80.95 38.15,80.95 v1(37.85,80.65)
AIN6: length 102.9
  Top w0.203: U4.24 69.16,87.77 67.11,85.72 64.89,85.72 64.33,85.17 63.12,85.17 62.92,84.96 v1(62.48,84.96)
  Top w0.305: 20.07,41.24 20.07,39.89 24.71,35.25 30.57,35.25 36.7,41.39 v1(36.7,79.76)
  Top w0.457: 20.07,41.25 20.07,45.35
  Bottom w0.203: v1(36.7,79.76) 36.7,80.33 37.87,81.5 59.02,81.5 v1(62.48,84.96)
AIRQ: length 2.7
  Top w0.13: 81.42,71.12 82.07,70.47 82.07,68.71
AOUT1: length 94.1
  Top w0.305: 103.51,23.77 101.75,23.77 v1(101.73,23.75) ; v1(91.6,83.35) 91.06,82.8 89.79,82.8 82.55,90.04 71.25,90.04 69.98,88.77 68.14,88.77 67.81,89.11 U4.29
  Bottom w0.305: v1(101.73,23.75) 95.12,30.35 95.12,79.83 v1(91.6,83.35)
AOUT2: length 80.5
  Top w0.305: v2(92.64,43.69) 92.95,43.38 101.03,43.38 R49.2 ; v1(88.51,84.95) 82.65,90.81 72.18,90.81 69.06,93.92 67.97,93.92 67.55,93.5 67.55,91.14 67.31,90.9 U4.30
  Bottom w0.305: v2(92.64,43.69) 92.86,43.91 92.86,47.47 92.96,47.57 92.96,67.69 92.46,68.2 92.46,79.5 88.51,83.45 v1(88.51,84.95)
AOUT3: length 111.6
  Top w0.305: U4.31 66.81,91.05 67.1,91.33 67.1,93.76 67.76,94.42 69.27,94.42 69.36,94.33 69.55,94.33 72.44,91.44 83.06,91.44 89.35,85.15 v1(89.35,84.11) ; 100.81,9.91 99.31,9.91 v1(99.19,9.78)
  Bottom w0.305: 93.32,47.28 93.6,47.56 93.6,79.43 89.35,83.68 v1(89.35,84.11) ; v1(99.19,9.78) 96.52,12.45 96.52,27.52 93.34,30.69 93.34,47.26
